# Altium PCB usb_can_8.PcbDoc (part 2 of 4)
Units mil, origin at the board's own origin, x right, y up, seen from the top; angles counter-clockwise.
Board outline 3730 x 3762.41 mil, 2 copper layers (Top Layer, Bottom Layer); 368 components, 37 nets, 1564 pads, 1600 vias.
Unrouted connection lines stored in the file: 259.
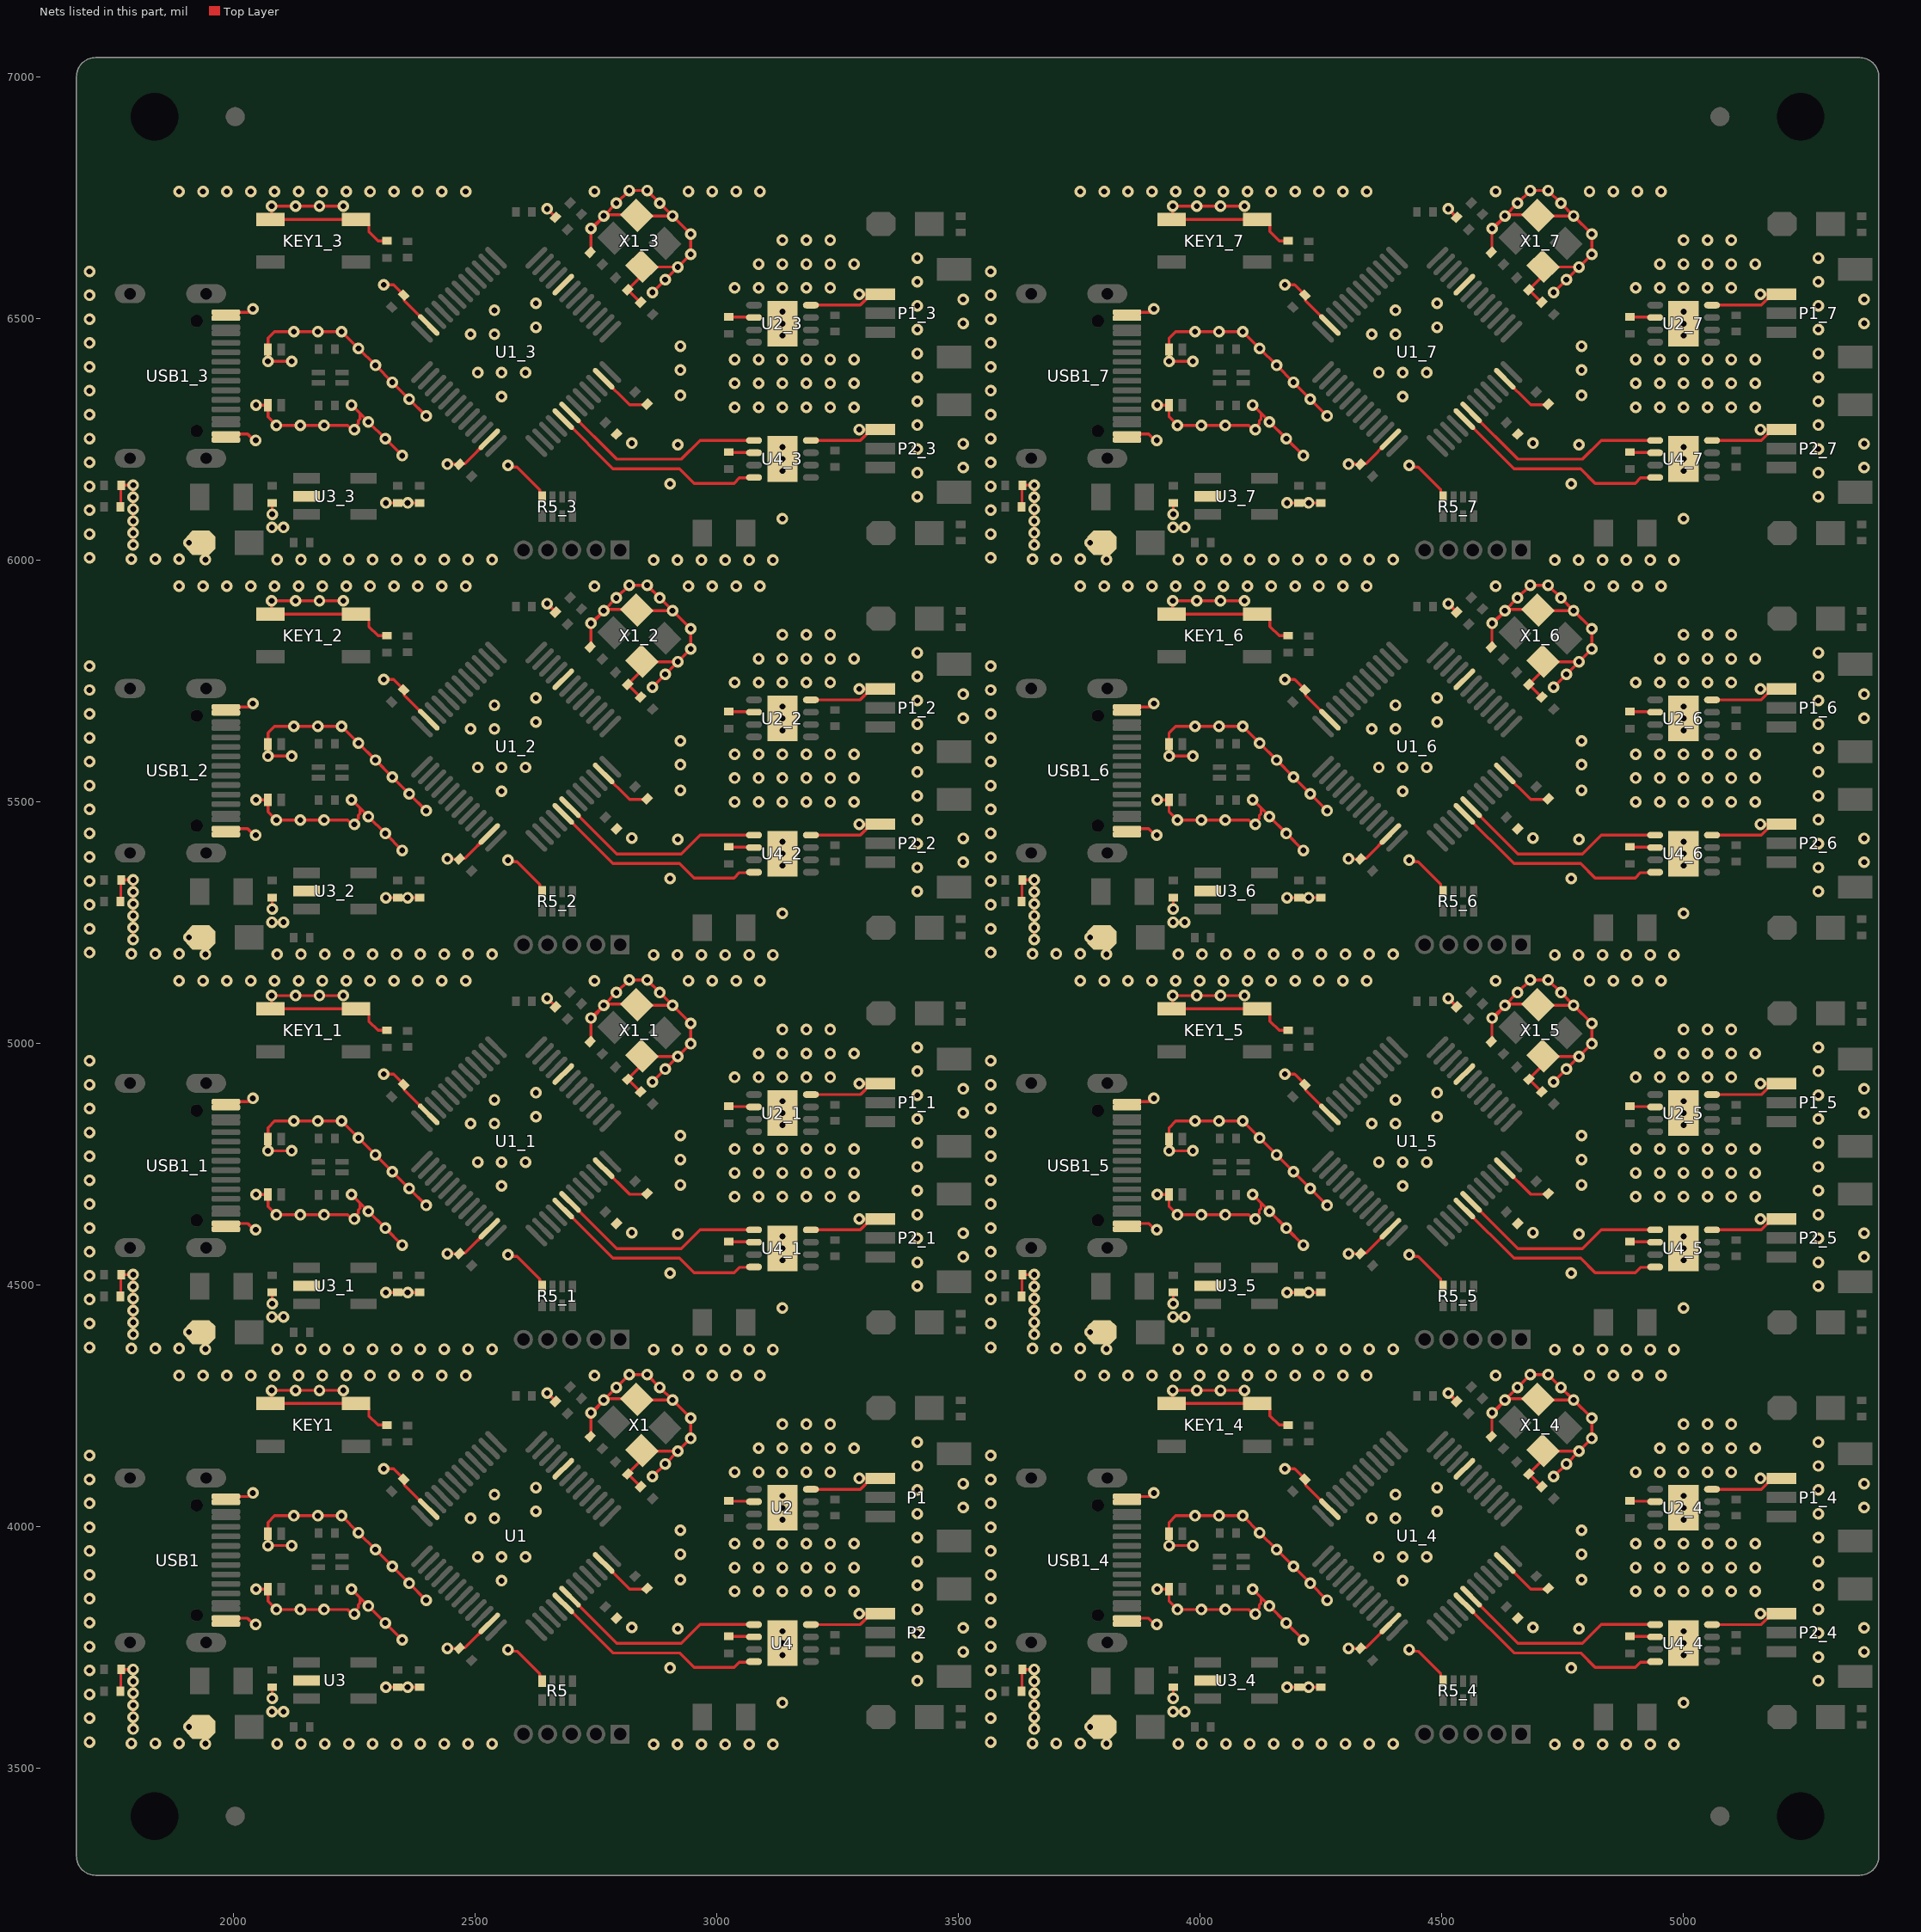
[diagram p2: the nets of this part, all layers, seen from the top]

## Via types
v1: diameter 24, hole 12, Top Layer to Bottom Layer, tented both sides, 1600 vias

## Nets (pads, with @x,y where several pads share a name; then routed paths per layer and width w, separated by ;. In a path a pad name is that pad's centre, name@x,y a point inside that pad or via, vN(x,y) a via of type N, cw(c..) or ccw(c..) an arc to the next point about the centre after c; other vN are vias at no path point) (continued)
CAN1_RX(PB5): U1.41 U1_1.41 U1_2.41 U1_3.41 U1_4.41 U1_5.41 U1_6.41 U1_7.41 U4.4 U4_1.4 U4_2.4 U4_3.4 U4_4.4 U4_5.4 U4_6.4 U4_7.4 | length 3638.7
  Top Layer w6: U1.41@2682.43,3840.8 2785.23,3738 2923,3738 2953,3708 3036,3708 3047.08,3719.08 3076.37,3719.08 U4.4@3077.28,3720 ; U1_1.41@2682.43,4657.8 2785.23,4555 2923,4555 2953,4525 3036,4525 3047.08,4536.08 3076.37,4536.08 U4_1.4@3077.28,4537 ; U1_2.41@2682.43,5474.8 2785.23,5372 2923,5372 2953,5342 3036,5342 3047.08,5353.08 3076.37,5353.08 U4_2.4@3077.28,5354 ; U1_3.41@2682.43,6291.8 2785.23,6189 2923,6189 2953,6159 3036,6159 3047.08,6170.08 3076.37,6170.08 U4_3.4@3077.28,6171 ; U1_4.41@4547.43,3840.8 4650.23,3738 4788,3738 4818,3708 4901,3708 4912.08,3719.08 4941.37,3719.08 U4_4.4@4942.28,3720 ; U1_5.41@4547.43,4657.8 4650.23,4555 4788,4555 4818,4525 4901,4525 4912.08,4536.08 4941.37,4536.08 U4_5.4@4942.28,4537 ; U1_6.41@4547.43,5474.8 4650.23,5372 4788,5372 4818,5342 4901,5342 4912.08,5353.08 4941.37,5353.08 U4_6.4@4942.28,5354 ; U1_7.41@4547.43,6291.8 4650.23,6189 4788,6189 4818,6159 4901,6159 4912.08,6170.08 4941.37,6170.08 U4_7.4@4942.28,6171
CAN1_TX(PB6): U1.42 U1_1.42 U1_2.42 U1_3.42 U1_4.42 U1_5.42 U1_6.42 U1_7.42 U4.1 U4_1.1 U4_2.1 U4_3.1 U4_4.1 U4_5.1 U4_6.1 U4_7.1 | length 3498
  Top Layer w6: U1.42@2696.35,3854.73 2793.08,3758 2927,3758 2966,3797 3077.06,3797 U4.1@3077.28,3796.77 ; U1_1.42@2696.35,4671.73 2793.08,4575 2927,4575 2966,4614 3077.06,4614 U4_1.1@3077.28,4613.77 ; U1_2.42@2696.35,5488.73 2793.08,5392 2927,5392 2966,5431 3077.06,5431 U4_2.1@3077.28,5430.77 ; U1_3.42@2696.35,6305.73 2793.08,6209 2927,6209 2966,6248 3077.06,6248 U4_3.1@3077.28,6247.77 ; U1_4.42@4561.35,3854.73 4658.08,3758 4792,3758 4831,3797 4942.06,3797 U4_4.1@4942.28,3796.77 ; U1_5.42@4561.35,4671.73 4658.08,4575 4792,4575 4831,4614 4942.06,4614 U4_5.1@4942.28,4613.77 ; U1_6.42@4561.35,5488.73 4658.08,5392 4792,5392 4831,5431 4942.06,5431 U4_6.1@4942.28,5430.77 ; U1_7.42@4561.35,6305.73 4658.08,6209 4792,6209 4831,6248 4942.06,6248 U4_7.1@4942.28,6247.77
GND: C1.1 C1_1.1 C1_2.1 C1_3.1 C1_4.1 C1_5.1 C1_6.1 C1_7.1 C2.1 C2_1.1 C2_2.1 C2_3.1 C2_4.1 C2_5.1 C2_6.1 C2_7.1 C3.2 C3_1.2 C3_2.2 C3_3.2 C3_4.2 C3_5.2 C3_6.2 C3_7.2 C4.2 C4_1.2 C4_2.2 C4_3.2 C4_4.2 C4_5.2 C4_6.2 C4_7.2 C5.2 C5_1.2 C5_2.2 C5_3.2 C5_4.2 C5_5.2 C5_6.2 C5_7.2 C6.2 C6_1.2 C6_2.2 C6_3.2 C6_4.2 C6_5.2 C6_6.2 C6_7.2 C7.2 C7_1.2 C7_2.2 C7_3.2 C7_4.2 C7_5.2 C7_6.2 C7_7.2 C8.2 C8_1.2 C8_2.2 C8_3.2 C8_4.2 C8_5.2 C8_6.2 C8_7.2 C9.1 C9_1.1 C9_2.1 C9_3.1 C9_4.1 C9_5.1 C9_6.1 C9_7.1 C10.1 C10_1.1 C10_2.1 C10_3.1 C10_4.1 C10_5.1 C10_6.1 C10_7.1 C11.1 C11_1.1 C11_2.1 C11_3.1 C11_4.1 C11_5.1 C11_6.1 C11_7.1 C12.1 C12_1.1 C12_2.1 C12_3.1 C12_4.1 C12_5.1 C12_6.1 C12_7.1 C13.2 C13_1.2 C13_2.2 C13_3.2 C13_4.2 C13_5.2 C13_6.2 C13_7.2 C14.1 C14_1.1 C14_2.1 C14_3.1 C14_4.1 C14_5.1 C14_6.1 C14_7.1 D1.2 D1_1.2 D1_2.2 D1_3.2 D1_4.2 D1_5.2 D1_6.2 D1_7.2 D2.2 D2_1.2 D2_2.2 D2_3.2 D2_4.2 D2_5.2 D2_6.2 D2_7.2 KEY1.2 KEY1_1.2 KEY1_2.2 KEY1_3.2 KEY1_4.2 KEY1_5.2 KEY1_6.2 KEY1_7.2 LED1.2 LED1_1.2 LED1_2.2 LED1_3.2 LED1_4.2 LED1_5.2 LED1_6.2 LED1_7.2 P1.3 P1_1.3 P1_2.3 P1_3.3 P1_4.3 P1_5.3 P1_6.3 P1_7.3 P2.3 P2_1.3 P2_2.3 P2_3.3 P2_4.3 P2_5.3 P2_6.3 P2_7.3 R1.2 R1_1.2 R1_2.2 R1_3.2 R1_4.2 R1_5.2 R1_6.2 R1_7.2 R5.4 R5_1.4 R5_2.4 R5_3.4 R5_4.4 R5_5.4 R5_6.4 R5_7.4 R13.1 R13_1.1 R13_2.1 R13_3.1 R13_4.1 R13_5.1 R13_6.1 R13_7.1 U1.8 U1.23 U1.35 U1.47 U1_1.8 U1_1.23 U1_1.35 U1_1.47 U1_2.8 U1_2.23 U1_2.35 U1_2.47 U1_3.8 U1_3.23 U1_3.35 U1_3.47 U1_4.8 U1_4.23 U1_4.35 U1_4.47 U1_5.8 U1_5.23 U1_5.35 U1_5.47 U1_6.8 U1_6.23 U1_6.35 U1_6.47 U1_7.8 U1_7.23 U1_7.35 U1_7.47 U2.2 U2.8 U2.9 U2_1.2 U2_1.8 U2_1.9 U2_2.2 U2_2.8 U2_2.9 U2_3.2 U2_3.8 U2_3.9 U2_4.2 U2_4.8 U2_4.9 U2_5.2 U2_5.8 U2_5.9 U2_6.2 U2_6.8 U2_6.9 U2_7.2 U2_7.8 U2_7.9 U3.2 U3_1.2 U3_2.2 U3_3.2 U3_4.2 U3_5.2 U3_6.2 U3_7.2 U4.2 U4.8 U4.9 U4_1.2 U4_1.8 U4_1.9 U4_2.2 U4_2.8 U4_2.9 U4_3.2 U4_3.8 U4_3.9 U4_4.2 U4_4.8 U4_4.9 U4_5.2 U4_5.8 U4_5.9 U4_6.2 U4_6.8 U4_6.9 U4_7.2 U4_7.8 U4_7.9 USB1.A1 USB1.A12 USB1.B1 USB1.B12 USB1_1.A1 USB1_1.A12 USB1_1.B1 USB1_1.B12 USB1_2.A1 USB1_2.A12 USB1_2.B1 USB1_2.B12 USB1_3.A1 USB1_3.A12 USB1_3.B1 USB1_3.B12 USB1_4.A1 USB1_4.A12 USB1_4.B1 USB1_4.B12 USB1_5.A1 USB1_5.A12 USB1_5.B1 USB1_5.B12 USB1_6.A1 USB1_6.A12 USB1_6.B1 USB1_6.B12 USB1_7.A1 USB1_7.A12 USB1_7.B1 USB1_7.B12 X1.2 X1.4 X1_1.2 X1_1.4 X1_2.2 X1_2.4 X1_3.2 X1_3.4 X1_4.2 X1_4.4 X1_5.2 X1_5.4 X1_6.2 X1_6.4 X1_7.2 X1_7.4 | length 29430.2
  Top Layer w6: R13.1@1765.75,3659 1766.73,3659.99 1766.73,3703.02 C14.1@1767.72,3704 v1(1792.43,3704) v1(1792.43,3679.29) v1(1792.43,3654.58) v1(1792.43,3629.87) v1(1792.43,3605.17) v1(1792.43,3580.46) ; R13_1.1@1765.75,4476 1766.73,4476.99 1766.73,4520.02 C14_1.1@1767.72,4521 v1(1792.43,4521) v1(1792.43,4496.29) v1(1792.43,4471.58) v1(1792.43,4446.87) v1(1792.43,4422.17) v1(1792.43,4397.46) ; R13_2.1@1765.75,5293 1766.73,5293.99 1766.73,5337.02 C14_2.1@1767.72,5338 v1(1792.43,5338) v1(1792.43,5313.29) v1(1792.43,5288.58) v1(1792.43,5263.87) v1(1792.43,5239.17) v1(1792.43,5214.46) ; R13_3.1@1765.75,6110 1766.73,6110.99 1766.73,6154.02 C14_3.1@1767.72,6155 v1(1792.43,6155) v1(1792.43,6130.29) v1(1792.43,6105.58) v1(1792.43,6080.87) v1(1792.43,6056.17) v1(1792.43,6031.46) ; v1(1907.79,3585) LED1.2@1932.5,3585 ; v1(1907.79,4402) LED1_1.2@1932.5,4402 ; v1(1907.79,5219) LED1_2.2@1932.5,5219 ; v1(1907.79,6036) LED1_3.2@1932.5,6036 ; USB1.A12@1984.21,3798.11 USB1.B1@1984.21,3809.92 2029.22,3809.92 2042.14,3797 v1(2046,3797) ; USB1.A1@1984.21,4061.89 2032.89,4061.89 v1(2040,4069) ; USB1_1.A12@1984.21,4615.11 USB1_1.B1@1984.21,4626.92 2029.22,4626.92 2042.14,4614 v1(2046,4614) ; USB1_1.A1@1984.21,4878.89 2032.89,4878.89 v1(2040,4886) ; USB1_2.A12@1984.21,5432.11 USB1_2.B1@1984.21,5443.92 2029.22,5443.92 2042.14,5431 v1(2046,5431) ; USB1_2.A1@1984.21,5695.89 2032.89,5695.89 v1(2040,5703) ; USB1_3.A12@1984.21,6249.11 USB1_3.B1@1984.21,6260.92 2029.22,6260.92 2042.14,6248 v1(2046,6248) ; USB1_3.A1@1984.21,6512.89 2032.89,6512.89 v1(2040,6520) ; v1(2046.51,3870) D1.2@2071.22,3870 2071.22,3845.29 v1(2088.69,3827.82) v1(2138.11,3827.82) 2236.19,3827.82 2245.13,3818.88 v1(2250,3818.88) 2250,3823.75 2258.12,3831.87 2258.12,3837.64 2261.65,3841.17 2261.65,3852.53 ; v1(2046.51,4687) D1_1.2@2071.22,4687 2071.22,4662.29 v1(2088.69,4644.82) v1(2138.11,4644.82) 2236.19,4644.82 2245.13,4635.88 v1(2250,4635.88) 2250,4640.75 2258.12,4648.87 2258.12,4654.64 2261.65,4658.17 2261.65,4669.53 ; v1(2046.51,5504) D1_2.2@2071.22,5504 2071.22,5479.29 v1(2088.69,5461.82) v1(2138.11,5461.82) 2236.19,5461.82 2245.13,5452.88 v1(2250,5452.88) 2250,5457.75 2258.12,5465.87 2258.12,5471.64 2261.65,5475.17 2261.65,5486.53 ; v1(2046.51,6321) D1_3.2@2071.22,6321 2071.22,6296.29 v1(2088.69,6278.82) v1(2138.11,6278.82) 2236.19,6278.82 2245.13,6269.88 v1(2250,6269.88) 2250,6274.75 2258.12,6282.87 2258.12,6288.64 2261.65,6292.17 2261.65,6303.53 ; KEY1.2@2076.42,4254.29 KEY1.2@2253.58,4254.29 2269.33,4254.29 2280.11,4243.51 2280.11,4228.76 2299.09,4209.79 C12.1@2317.93,4209.79 ; KEY1_1.2@2076.42,5071.29 KEY1_1.2@2253.58,5071.29 2269.33,5071.29 2280.11,5060.51 2280.11,5045.76 2299.09,5026.79 C12_1.1@2317.93,5026.79 ; KEY1_2.2@2076.42,5888.29 KEY1_2.2@2253.58,5888.29 2269.33,5888.29 2280.11,5877.51 2280.11,5862.76 2299.09,5843.79 C12_2.1@2317.93,5843.79 ; KEY1_3.2@2076.42,6705.29 KEY1_3.2@2253.58,6705.29 2269.33,6705.29 2280.11,6694.51 2280.11,6679.76 2299.09,6660.79 C12_3.1@2317.93,6660.79 ; KEY1.2@2079,4256.87 v1(2079,4281.58) v1(2128.42,4281.58) v1(2177.83,4281.58) v1(2227.25,4281.58) ; KEY1_1.2@2079,5073.87 v1(2079,5098.58) v1(2128.42,5098.58) v1(2177.83,5098.58) v1(2227.25,5098.58) ; KEY1_2.2@2079,5890.87 v1(2079,5915.58) v1(2128.42,5915.58) v1(2177.83,5915.58) v1(2227.25,5915.58) ; KEY1_3.2@2079,6707.87 v1(2079,6732.58) v1(2128.42,6732.58) v1(2177.83,6732.58) v1(2227.25,6732.58) ; v1(2080,3644) C9.1@2080,3667.28 ; v1(2080,4461) C9_1.1@2080,4484.28 ; v1(2080,5278) C9_2.1@2080,5301.28 ; v1(2080,6095) C9_3.1@2080,6118.28 ; v1(2120.64,3960.29) v1(2071.22,3960.29) D2.2@2071.22,3985 2071.22,4008.22 2085,4022 v1(2125,4022) v1(2174.42,4022) v1(2223.83,4022) v1(2258.78,3987.06) v1(2293.72,3952.11) v1(2328.66,3917.17) v1(2363.61,3882.23) v1(2398.55,3847.28) ; v1(2120.64,4777.29) v1(2071.22,4777.29) D2_1.2@2071.22,4802 2071.22,4825.22 2085,4839 v1(2125,4839) v1(2174.42,4839) v1(2223.83,4839) v1(2258.78,4804.06) v1(2293.72,4769.11) v1(2328.66,4734.17) v1(2363.61,4699.23) v1(2398.55,4664.28) ; v1(2120.64,5594.29) v1(2071.22,5594.29) D2_2.2@2071.22,5619 2071.22,5642.22 2085,5656 v1(2125,5656) v1(2174.42,5656) v1(2223.83,5656) v1(2258.78,5621.06) v1(2293.72,5586.11) v1(2328.66,5551.17) v1(2363.61,5516.23) v1(2398.55,5481.28) ; v1(2120.64,6411.29) v1(2071.22,6411.29) D2_3.2@2071.22,6436 2071.22,6459.22 2085,6473 v1(2125,6473) v1(2174.42,6473) v1(2223.83,6473) v1(2258.78,6438.06) v1(2293.72,6403.11) v1(2328.66,6368.17) v1(2363.61,6333.23) v1(2398.55,6298.28) ; v1(2244.18,3870) 2261.65,3852.53 ; v1(2244.18,4687) 2261.65,4669.53 ; v1(2244.18,5504) 2261.65,5486.53 ; v1(2244.18,6321) 2261.65,6303.53 ; v1(2311,4119) 2331.05,4119 C6.2@2352.53,4097.52 2353.92,4096.13 2353.92,4085.81 2371.71,4068.03 U1.23@2404.05,4035.68 ; v1(2311,4936) 2331.05,4936 C6_1.2@2352.53,4914.52 2353.92,4913.13 2353.92,4902.81 2371.71,4885.03 U1_1.23@2404.05,4852.68 ; v1(2311,5753) 2331.05,5753 C6_2.2@2352.53,5731.52 2353.92,5730.13 2353.92,5719.81 2371.71,5702.03 U1_2.23@2404.05,5669.68 ; v1(2311,6570) 2331.05,6570 C6_3.2@2352.53,6548.52 2353.92,6547.13 2353.92,6536.81 2371.71,6519.03 U1_3.23@2404.05,6486.68 ; v1(2315.29,3667.28) C10.1@2340,3667.28 ; v1(2315.29,4484.28) C10_1.1@2340,4484.28 ; v1(2315.29,5301.28) C10_2.1@2340,5301.28 ; v1(2315.29,6118.28) C10_3.1@2340,6118.28 ; v1(2349.01,3765.17) v1(2314.07,3800.11) v1(2279.12,3835.06) 2261.65,3852.53 ; v1(2349.01,4582.17) v1(2314.07,4617.11) v1(2279.12,4652.06) 2261.65,4669.53 ; v1(2349.01,5399.17) v1(2314.07,5434.11) v1(2279.12,5469.06) 2261.65,5486.53 ; v1(2349.01,6216.17) v1(2314.07,6251.11) v1(2279.12,6286.06) 2261.65,6303.53 ; v1(2360.29,3667.28) C11.1@2385,3667.28 ; v1(2360.29,4484.28) C11_1.1@2385,4484.28 ; v1(2360.29,5301.28) C11_2.1@2385,5301.28 ; v1(2360.29,6118.28) C11_3.1@2385,6118.28 ; v1(2442.77,3747.53) C7.2@2467.48,3747.53 2468.87,3748.92 2479.19,3748.92 U1.35@2529.32,3799.06 ; v1(2442.77,4564.53) C7_1.2@2467.48,4564.53 2468.87,4565.92 2479.19,4565.92 U1_1.35@2529.32,4616.06 ; v1(2442.77,5381.53) C7_2.2@2467.48,5381.53 2468.87,5382.92 2479.19,5382.92 U1_2.35@2529.32,5433.06 ; v1(2442.77,6198.53) C7_3.2@2467.48,6198.53 2468.87,6199.92 2479.19,6199.92 U1_3.35@2529.32,6250.06 ; v1(2568,3745) 2571.44,3741.56 2586.44,3741.56 2633.63,3694.37 2633.63,3684.56 R5.4@2638.5,3679.69 ; v1(2568,4562) 2571.44,4558.56 2586.44,4558.56 2633.63,4511.37 2633.63,4501.56 R5_1.4@2638.5,4496.69 ; v1(2568,5379) 2571.44,5375.56 2586.44,5375.56 2633.63,5328.37 2633.63,5318.56 R5_2.4@2638.5,5313.69 ; v1(2568,6196) 2571.44,6192.56 2586.44,6192.56 2633.63,6145.37 2633.63,6135.56 R5_3.4@2638.5,6130.69 ; v1(2649.01,4276) C3.2@2666.48,4258.53 ; v1(2649.01,5093) C3_1.2@2666.48,5075.53 ; v1(2649.01,5910) C3_2.2@2666.48,5892.53 ; v1(2649.01,6727) C3_3.2@2666.48,6709.53 ; C2.1@2738.08,4186.06 2739.47,4187.45 2739.47,4232.47 2771,4264 2803.59,4264 2803.88,4264.29 2833.04,4264.29 X1.2@2834.43,4262.89 2835.82,4261.5 v1(2908.5,4261.5) ; C2_1.1@2738.08,5003.06 2739.47,5004.45 2739.47,5049.47 2771,5081 2803.59,5081 2803.88,5081.29 2833.04,5081.29 X1_1.2@2834.43,5079.89 2835.82,5078.5 v1(2908.5,5078.5) ; C2_2.1@2738.08,5820.06 2739.47,5821.45 2739.47,5866.47 2771,5898 2803.59,5898 2803.88,5898.29 2833.04,5898.29 X1_2.2@2834.43,5896.89 2835.82,5895.5 v1(2908.5,5895.5) ; C2_3.1@2738.08,6637.06 2739.47,6638.45 2739.47,6683.47 2771,6715 2803.59,6715 2803.88,6715.29 2833.04,6715.29 X1_3.2@2834.43,6713.89 2835.82,6712.5 v1(2908.5,6712.5) ; v1(2739.9,4235.22) v1(2766.18,4261.5) v1(2792.47,4287.79) v1(2818.75,4314.07) v1(2855.93,4314.07) v1(2882.21,4287.79) v1(2908.5,4261.5) ; v1(2739.9,5052.22) v1(2766.18,5078.5) v1(2792.47,5104.79) v1(2818.75,5131.07) v1(2855.93,5131.07) v1(2882.21,5104.79) v1(2908.5,5078.5) ; v1(2739.9,5869.22) v1(2766.18,5895.5) v1(2792.47,5921.79) v1(2818.75,5948.07) v1(2855.93,5948.07) v1(2882.21,5921.79) v1(2908.5,5895.5) ; v1(2739.9,6686.22) v1(2766.18,6712.5) v1(2792.47,6738.79) v1(2818.75,6765.07) v1(2855.93,6765.07) v1(2882.21,6738.79) v1(2908.5,6712.5) ; U1.47@2765.95,3924.32 2819.88,3870.39 2854.75,3870.39 C5.2@2856.15,3871.78 ; U1_1.47@2765.95,4741.32 2819.88,4687.39 2854.75,4687.39 C5_1.2@2856.15,4688.78 ; U1_2.47@2765.95,5558.32 2819.88,5504.39 2854.75,5504.39 C5_2.2@2856.15,5505.78 ; U1_3.47@2765.95,6375.32 2819.88,6321.39 2854.75,6321.39 C5_3.2@2856.15,6322.78 ; C4.2@2842.48,4082.53 2816.5,4108.5 C1.1@2815.63,4108.5 2845.57,4138.44 X1.4@2845.57,4157.11 2846.96,4155.71 v1(2919.71,4155.71) ; C4_1.2@2842.48,4899.53 2816.5,4925.5 C1_1.1@2815.63,4925.5 2845.57,4955.44 X1_1.4@2845.57,4974.11 2846.96,4972.71 v1(2919.71,4972.71) ; C4_2.2@2842.48,5716.53 2816.5,5742.5 C1_2.1@2815.63,5742.5 2845.57,5772.44 X1_2.4@2845.57,5791.11 2846.96,5789.71 v1(2919.71,5789.71) ; C4_3.2@2842.48,6533.53 2816.5,6559.5 C1_3.1@2815.63,6559.5 2845.57,6589.44 X1_3.4@2845.57,6608.11 2846.96,6606.71 v1(2919.71,6606.71) ; v1(2867.14,4103.14) v1(2893.43,4129.43) v1(2919.71,4155.71) ; v1(2867.14,4920.14) v1(2893.43,4946.43) v1(2919.71,4972.71) ; v1(2867.14,5737.14) v1(2893.43,5763.43) v1(2919.71,5789.71) ; v1(2867.14,6554.14) v1(2893.43,6580.43) v1(2919.71,6606.71) ; C13.2@3025,3772.71 3025.77,3771.95 3076.52,3771.95 U4.2@3077.28,3771.18 ; C8.2@3025,4052.71 3025.77,4051.95 3076.52,4051.95 U2.2@3077.28,4051.18 ; C13_1.2@3025,4589.71 3025.77,4588.95 3076.52,4588.95 U4_1.2@3077.28,4588.18 ; C8_1.2@3025,4869.71 3025.77,4868.95 3076.52,4868.95 U2_1.2@3077.28,4868.18 ; C13_2.2@3025,5406.71 3025.77,5405.95 3076.52,5405.95 U4_2.2@3077.28,5405.18 ; C8_2.2@3025,5686.71 3025.77,5685.95 3076.52,5685.95 U2_2.2@3077.28,5685.18 ; C13_3.2@3025,6223.71 3025.77,6222.95 3076.52,6222.95 U4_3.2@3077.28,6222.18 ; C8_3.2@3025,6503.71 3025.77,6502.95 3076.52,6502.95 U2_3.2@3077.28,6502.18 ; v1(3136.14,3733.68) v1(3136.14,3758.39) v1(3136.14,3783.09) ; v1(3136.14,4013.68) v1(3136.14,4038.39) v1(3136.14,4063.09) ; v1(3136.14,4550.68) v1(3136.14,4575.39) v1(3136.14,4600.09) ; v1(3136.14,4830.68) v1(3136.14,4855.39) v1(3136.14,4880.09) ; v1(3136.14,5367.68) v1(3136.14,5392.39) v1(3136.14,5417.09) ; v1(3136.14,5647.68) v1(3136.14,5672.39) v1(3136.14,5697.09) ; v1(3136.14,6184.68) v1(3136.14,6209.39) v1(3136.14,6234.09) ; v1(3136.14,6464.68) v1(3136.14,6489.39) v1(3136.14,6514.09) ; U4.8@3195,3796.77 3297.24,3796.77 P2.3@3319.84,3819.37 ; U2.8@3195,4076.77 3297.24,4076.77 P1.3@3319.84,4099.37 ; U4_1.8@3195,4613.77 3297.24,4613.77 P2_1.3@3319.84,4636.37 ; U2_1.8@3195,4893.77 3297.24,4893.77 P1_1.3@3319.84,4916.37 ; U4_2.8@3195,5430.77 3297.24,5430.77 P2_2.3@3319.84,5453.37 ; U2_2.8@3195,5710.77 3297.24,5710.77 P1_2.3@3319.84,5733.37 ; U4_3.8@3195,6247.77 3297.24,6247.77 P2_3.3@3319.84,6270.37 ; U2_3.8@3195,6527.77 3297.24,6527.77 P1_3.3@3319.84,6550.37 ; v1(3295.13,3819.37) P2.3@3319.84,3819.37 ; v1(3295.13,4099.37) P1.3@3319.84,4099.37 ; v1(3295.13,4636.37) P2_1.3@3319.84,4636.37 ; v1(3295.13,4916.37) P1_1.3@3319.84,4916.37 ; v1(3295.13,5453.37) P2_2.3@3319.84,5453.37 ; v1(3295.13,5733.37) P1_2.3@3319.84,5733.37 ; v1(3295.13,6270.37) P2_3.3@3319.84,6270.37 ; v1(3295.13,6550.37) P1_3.3@3319.84,6550.37 ; P2.3@3338.54,3819.37 P2.3@3319.84,3819.37 ; P1.3@3338.54,4099.37 P1.3@3319.84,4099.37 ; P2_1.3@3338.54,4636.37 P2_1.3@3319.84,4636.37 ; P1_1.3@3338.54,4916.37 P1_1.3@3319.84,4916.37 ; P2_2.3@3338.54,5453.37 P2_2.3@3319.84,5453.37 ; P1_2.3@3338.54,5733.37 P1_2.3@3319.84,5733.37 ; P2_3.3@3338.54,6270.37 P2_3.3@3319.84,6270.37 ; P1_3.3@3338.54,6550.37 P1_3.3@3319.84,6550.37 ; R13_4.1@3630.75,3659 3631.73,3659.99 3631.73,3703.02 C14_4.1@3632.72,3704 v1(3657.43,3704) v1(3657.43,3679.29) v1(3657.43,3654.58) v1(3657.43,3629.87) v1(3657.43,3605.17) v1(3657.43,3580.46) ; R13_5.1@3630.75,4476 3631.73,4476.99 3631.73,4520.02 C14_5.1@3632.72,4521 v1(3657.43,4521) v1(3657.43,4496.29) v1(3657.43,4471.58) v1(3657.43,4446.87) v1(3657.43,4422.17) v1(3657.43,4397.46) ; R13_6.1@3630.75,5293 3631.73,5293.99 3631.73,5337.02 C14_6.1@3632.72,5338 v1(3657.43,5338) v1(3657.43,5313.29) v1(3657.43,5288.58) v1(3657.43,5263.87) v1(3657.43,5239.17) v1(3657.43,5214.46) ; R13_7.1@3630.75,6110 3631.73,6110.99 3631.73,6154.02 C14_7.1@3632.72,6155 v1(3657.43,6155) v1(3657.43,6130.29) v1(3657.43,6105.58) v1(3657.43,6080.87) v1(3657.43,6056.17) v1(3657.43,6031.46) ; v1(3772.79,3585) LED1_4.2@3797.5,3585 ; v1(3772.79,4402) LED1_5.2@3797.5,4402 ; v1(3772.79,5219) LED1_6.2@3797.5,5219 ; v1(3772.79,6036) LED1_7.2@3797.5,6036 ; USB1_4.A12@3849.21,3798.11 USB1_4.B1@3849.21,3809.92 3894.22,3809.92 3907.14,3797 v1(3911,3797) ; USB1_4.A1@3849.21,4061.89 3897.89,4061.89 v1(3905,4069) ; USB1_5.A12@3849.21,4615.11 USB1_5.B1@3849.21,4626.92 3894.22,4626.92 3907.14,4614 v1(3911,4614) ; USB1_5.A1@3849.21,4878.89 3897.89,4878.89 v1(3905,4886) ; USB1_6.A12@3849.21,5432.11 USB1_6.B1@3849.21,5443.92 3894.22,5443.92 3907.14,5431 v1(3911,5431) ; USB1_6.A1@3849.21,5695.89 3897.89,5695.89 v1(3905,5703) ; USB1_7.A12@3849.21,6249.11 USB1_7.B1@3849.21,6260.92 3894.22,6260.92 3907.14,6248 v1(3911,6248) ; USB1_7.A1@3849.21,6512.89 3897.89,6512.89 v1(3905,6520) ; v1(3911.51,3870) D1_4.2@3936.22,3870 3936.22,3845.29 v1(3953.69,3827.82) v1(4003.11,3827.82) 4101.19,3827.82 4110.13,3818.88 v1(4115,3818.88) 4115,3823.75 4123.12,3831.87 4123.12,3837.64 4126.65,3841.17 4126.65,3852.53 ; v1(3911.51,4687) D1_5.2@3936.22,4687 3936.22,4662.29 v1(3953.69,4644.82) v1(4003.11,4644.82) 4101.19,4644.82 4110.13,4635.88 v1(4115,4635.88) 4115,4640.75 4123.12,4648.87 4123.12,4654.64 4126.65,4658.17 4126.65,4669.53 ; v1(3911.51,5504) D1_6.2@3936.22,5504 3936.22,5479.29 v1(3953.69,5461.82) v1(4003.11,5461.82) 4101.19,5461.82 4110.13,5452.88 v1(4115,5452.88) 4115,5457.75 4123.12,5465.87 4123.12,5471.64 4126.65,5475.17 4126.65,5486.53 ; v1(3911.51,6321) D1_7.2@3936.22,6321 3936.22,6296.29 v1(3953.69,6278.82) v1(4003.11,6278.82) 4101.19,6278.82 4110.13,6269.88 v1(4115,6269.88) 4115,6274.75 4123.12,6282.87 4123.12,6288.64 4126.65,6292.17 4126.65,6303.53 ; KEY1_4.2@3941.42,4254.29 KEY1_4.2@4118.58,4254.29 4134.33,4254.29 4145.11,4243.51 4145.11,4228.76 4164.09,4209.79 C12_4.1@4182.93,4209.79 ; KEY1_5.2@3941.42,5071.29 KEY1_5.2@4118.58,5071.29 4134.33,5071.29 4145.11,5060.51 4145.11,5045.76 4164.09,5026.79 C12_5.1@4182.93,5026.79 ; KEY1_6.2@3941.42,5888.29 KEY1_6.2@4118.58,5888.29 4134.33,5888.29 4145.11,5877.51 4145.11,5862.76 4164.09,5843.79 C12_6.1@4182.93,5843.79 ; KEY1_7.2@3941.42,6705.29 KEY1_7.2@4118.58,6705.29 4134.33,6705.29 4145.11,6694.51 4145.11,6679.76 4164.09,6660.79 C12_7.1@4182.93,6660.79 ; KEY1_4.2@3944,4256.87 v1(3944,4281.58) v1(3993.42,4281.58) v1(4042.83,4281.58) v1(4092.25,4281.58) ; KEY1_5.2@3944,5073.87 v1(3944,5098.58) v1(3993.42,5098.58) v1(4042.83,5098.58) v1(4092.25,5098.58) ; KEY1_6.2@3944,5890.87 v1(3944,5915.58) v1(3993.42,5915.58) v1(4042.83,5915.58) v1(4092.25,5915.58) ; KEY1_7.2@3944,6707.87 v1(3944,6732.58) v1(3993.42,6732.58) v1(4042.83,6732.58) v1(4092.25,6732.58) ; v1(3945,3644) C9_4.1@3945,3667.28 ; v1(3945,4461) C9_5.1@3945,4484.28 ; v1(3945,5278) C9_6.1@3945,5301.28 ; v1(3945,6095) C9_7.1@3945,6118.28 ; v1(3985.64,3960.29) v1(3936.22,3960.29) D2_4.2@3936.22,3985 3936.22,4008.22 3950,4022 v1(3990,4022) v1(4039.42,4022) v1(4088.83,4022) v1(4123.78,3987.06) v1(4158.72,3952.11) v1(4193.66,3917.17) v1(4228.61,3882.23) v1(4263.55,3847.28) ; v1(3985.64,4777.29) v1(3936.22,4777.29) D2_5.2@3936.22,4802 3936.22,4825.22 3950,4839 v1(3990,4839) v1(4039.42,4839) v1(4088.83,4839) v1(4123.78,4804.06) v1(4158.72,4769.11) v1(4193.66,4734.17) v1(4228.61,4699.23) v1(4263.55,4664.28) ; v1(3985.64,5594.29) v1(3936.22,5594.29) D2_6.2@3936.22,5619 3936.22,5642.22 3950,5656 v1(3990,5656) v1(4039.42,5656) v1(4088.83,5656) v1(4123.78,5621.06) v1(4158.72,5586.11) v1(4193.66,5551.17) v1(4228.61,5516.23) v1(4263.55,5481.28) ; v1(3985.64,6411.29) v1(3936.22,6411.29) D2_7.2@3936.22,6436 3936.22,6459.22 3950,6473 v1(3990,6473) v1(4039.42,6473) v1(4088.83,6473) v1(4123.78,6438.06) v1(4158.72,6403.11) v1(4193.66,6368.17) v1(4228.61,6333.23) v1(4263.55,6298.28) ; v1(4109.18,3870) 4126.65,3852.53 ; v1(4109.18,4687) 4126.65,4669.53 ; v1(4109.18,5504) 4126.65,5486.53 ; v1(4109.18,6321) 4126.65,6303.53 ; v1(4176,4119) 4196.05,4119 C6_4.2@4217.53,4097.52 4218.92,4096.13 4218.92,4085.81 4236.71,4068.03 U1_4.23@4269.05,4035.68 ; v1(4176,4936) 4196.05,4936 C6_5.2@4217.53,4914.52 4218.92,4913.13 4218.92,4902.81 4236.71,4885.03 U1_5.23@4269.05,4852.68 ; v1(4176,5753) 4196.05,5753 C6_6.2@4217.53,5731.52 4218.92,5730.13 4218.92,5719.81 4236.71,5702.03 U1_6.23@4269.05,5669.68 ; v1(4176,6570) 4196.05,6570 C6_7.2@4217.53,6548.52 4218.92,6547.13 4218.92,6536.81 4236.71,6519.03 U1_7.23@4269.05,6486.68 ; v1(4180.29,3667.28) C10_4.1@4205,3667.28 ; v1(4180.29,4484.28) C10_5.1@4205,4484.28 ; v1(4180.29,5301.28) C10_6.1@4205,5301.28 ; v1(4180.29,6118.28) C10_7.1@4205,6118.28 ; v1(4214.01,3765.17) v1(4179.07,3800.11) v1(4144.12,3835.06) 4126.65,3852.53 ; v1(4214.01,4582.17) v1(4179.07,4617.11) v1(4144.12,4652.06) 4126.65,4669.53 ; v1(4214.01,5399.17) v1(4179.07,5434.11) v1(4144.12,5469.06) 4126.65,5486.53 ; v1(4214.01,6216.17) v1(4179.07,6251.11) v1(4144.12,6286.06) 4126.65,6303.53 ; v1(4225.29,3667.28) C11_4.1@4250,3667.28 ; v1(4225.29,4484.28) C11_5.1@4250,4484.28 ; v1(4225.29,5301.28) C11_6.1@4250,5301.28 ; v1(4225.29,6118.28) C11_7.1@4250,6118.28 ; v1(4307.77,3747.53) C7_4.2@4332.48,3747.53 4333.87,3748.92 4344.19,3748.92 U1_4.35@4394.32,3799.06 ; v1(4307.77,4564.53) C7_5.2@4332.48,4564.53 4333.87,4565.92 4344.19,4565.92 U1_5.35@4394.32,4616.06 ; v1(4307.77,5381.53) C7_6.2@4332.48,5381.53 4333.87,5382.92 4344.19,5382.92 U1_6.35@4394.32,5433.06 ; v1(4307.77,6198.53) C7_7.2@4332.48,6198.53 4333.87,6199.92 4344.19,6199.92 U1_7.35@4394.32,6250.06 ; v1(4433,3745) 4436.44,3741.56 4451.44,3741.56 4498.63,3694.37 4498.63,3684.56 R5_4.4@4503.5,3679.69 ; v1(4433,4562) 4436.44,4558.56 4451.44,4558.56 4498.63,4511.37 4498.63,4501.56 R5_5.4@4503.5,4496.69 ; v1(4433,5379) 4436.44,5375.56 4451.44,5375.56 4498.63,5328.37 4498.63,5318.56 R5_6.4@4503.5,5313.69 ; v1(4433,6196) 4436.44,6192.56 4451.44,6192.56 4498.63,6145.37 4498.63,6135.56 R5_7.4@4503.5,6130.69 ; v1(4514.01,4276) C3_4.2@4531.48,4258.53 ; v1(4514.01,5093) C3_5.2@4531.48,5075.53 ; v1(4514.01,5910) C3_6.2@4531.48,5892.53 ; v1(4514.01,6727) C3_7.2@4531.48,6709.53 ; C2_4.1@4603.08,4186.06 4604.47,4187.45 4604.47,4232.47 4636,4264 4668.59,4264 4668.88,4264.29 4698.04,4264.29 X1_4.2@4699.43,4262.89 4700.82,4261.5 v1(4773.5,4261.5) ; C2_5.1@4603.08,5003.06 4604.47,5004.45 4604.47,5049.47 4636,5081 4668.59,5081 4668.88,5081.29 4698.04,5081.29 X1_5.2@4699.43,5079.89 4700.82,5078.5 v1(4773.5,5078.5) ; C2_6.1@4603.08,5820.06 4604.47,5821.45 4604.47,5866.47 4636,5898 4668.59,5898 4668.88,5898.29 4698.04,5898.29 X1_6.2@4699.43,5896.89 4700.82,5895.5 v1(4773.5,5895.5) ; C2_7.1@4603.08,6637.06 4604.47,6638.45 4604.47,6683.47 4636,6715 4668.59,6715 4668.88,6715.29 4698.04,6715.29 X1_7.2@4699.43,6713.89 4700.82,6712.5 v1(4773.5,6712.5) ; v1(4604.9,4235.22) v1(4631.18,4261.5) v1(4657.47,4287.79) v1(4683.75,4314.07) v1(4720.93,4314.07) v1(4747.21,4287.79) v1(4773.5,4261.5) ; v1(4604.9,5052.22) v1(4631.18,5078.5) v1(4657.47,5104.79) v1(4683.75,5131.07) v1(4720.93,5131.07) v1(4747.21,5104.79) v1(4773.5,5078.5) ; v1(4604.9,5869.22) v1(4631.18,5895.5) v1(4657.47,5921.79) v1(4683.75,5948.07) v1(4720.93,5948.07) v1(4747.21,5921.79) v1(4773.5,5895.5) ; v1(4604.9,6686.22) v1(4631.18,6712.5) v1(4657.47,6738.79) v1(4683.75,6765.07) v1(4720.93,6765.07) v1(4747.21,6738.79) v1(4773.5,6712.5) ; U1_4.47@4630.95,3924.32 4684.88,3870.39 4719.75,3870.39 C5_4.2@4721.15,3871.78 ; U1_5.47@4630.95,4741.32 4684.88,4687.39 4719.75,4687.39 C5_5.2@4721.15,4688.78 ; U1_6.47@4630.95,5558.32 4684.88,5504.39 4719.75,5504.39 C5_6.2@4721.15,5505.78 ; U1_7.47@4630.95,6375.32 4684.88,6321.39 4719.75,6321.39 C5_7.2@4721.15,6322.78 ; C4_4.2@4707.48,4082.53 4681.5,4108.5 C1_4.1@4680.63,4108.5 4710.57,4138.44 X1_4.4@4710.57,4157.11 4711.96,4155.71 v1(4784.71,4155.71) ; C4_5.2@4707.48,4899.53 4681.5,4925.5 C1_5.1@4680.63,4925.5 4710.57,4955.44 X1_5.4@4710.57,4974.11 4711.96,4972.71 v1(4784.71,4972.71) ; C4_6.2@4707.48,5716.53 4681.5,5742.5 